# Altium PCB ESP32主控_20240824.PcbDoc
Units mil, origin at the board's own origin, x right, y up, seen from the top; angles counter-clockwise.
Board outline 3267.72 x 3700.79 mil, 2 copper layers (Top Layer, Bottom Layer), stack 61.756 mil thick; 56 components, 39 nets, 327 pads, 66 vias.
Unrouted connection lines stored in the file: 2.
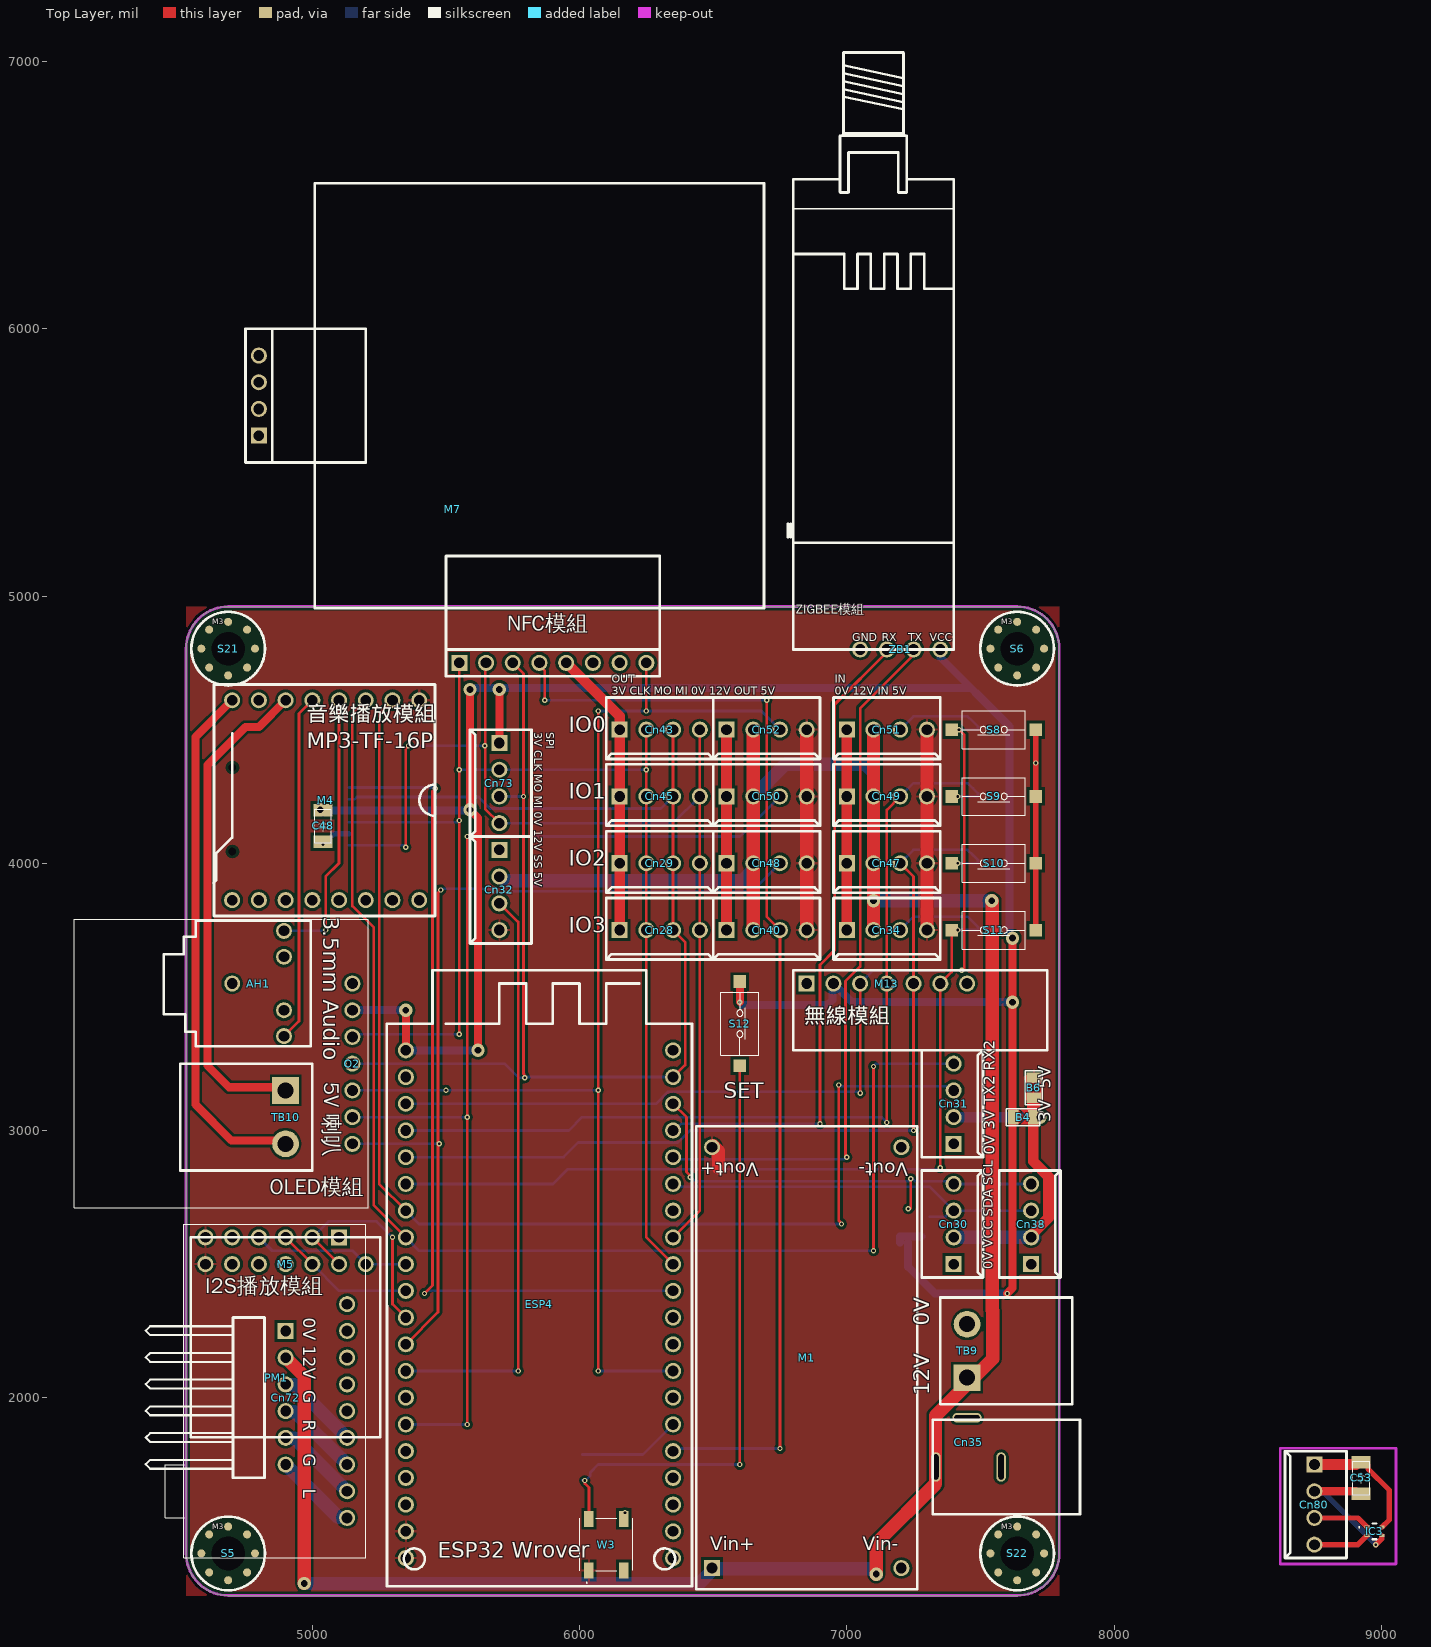
[diagram p0: Top Layer view]
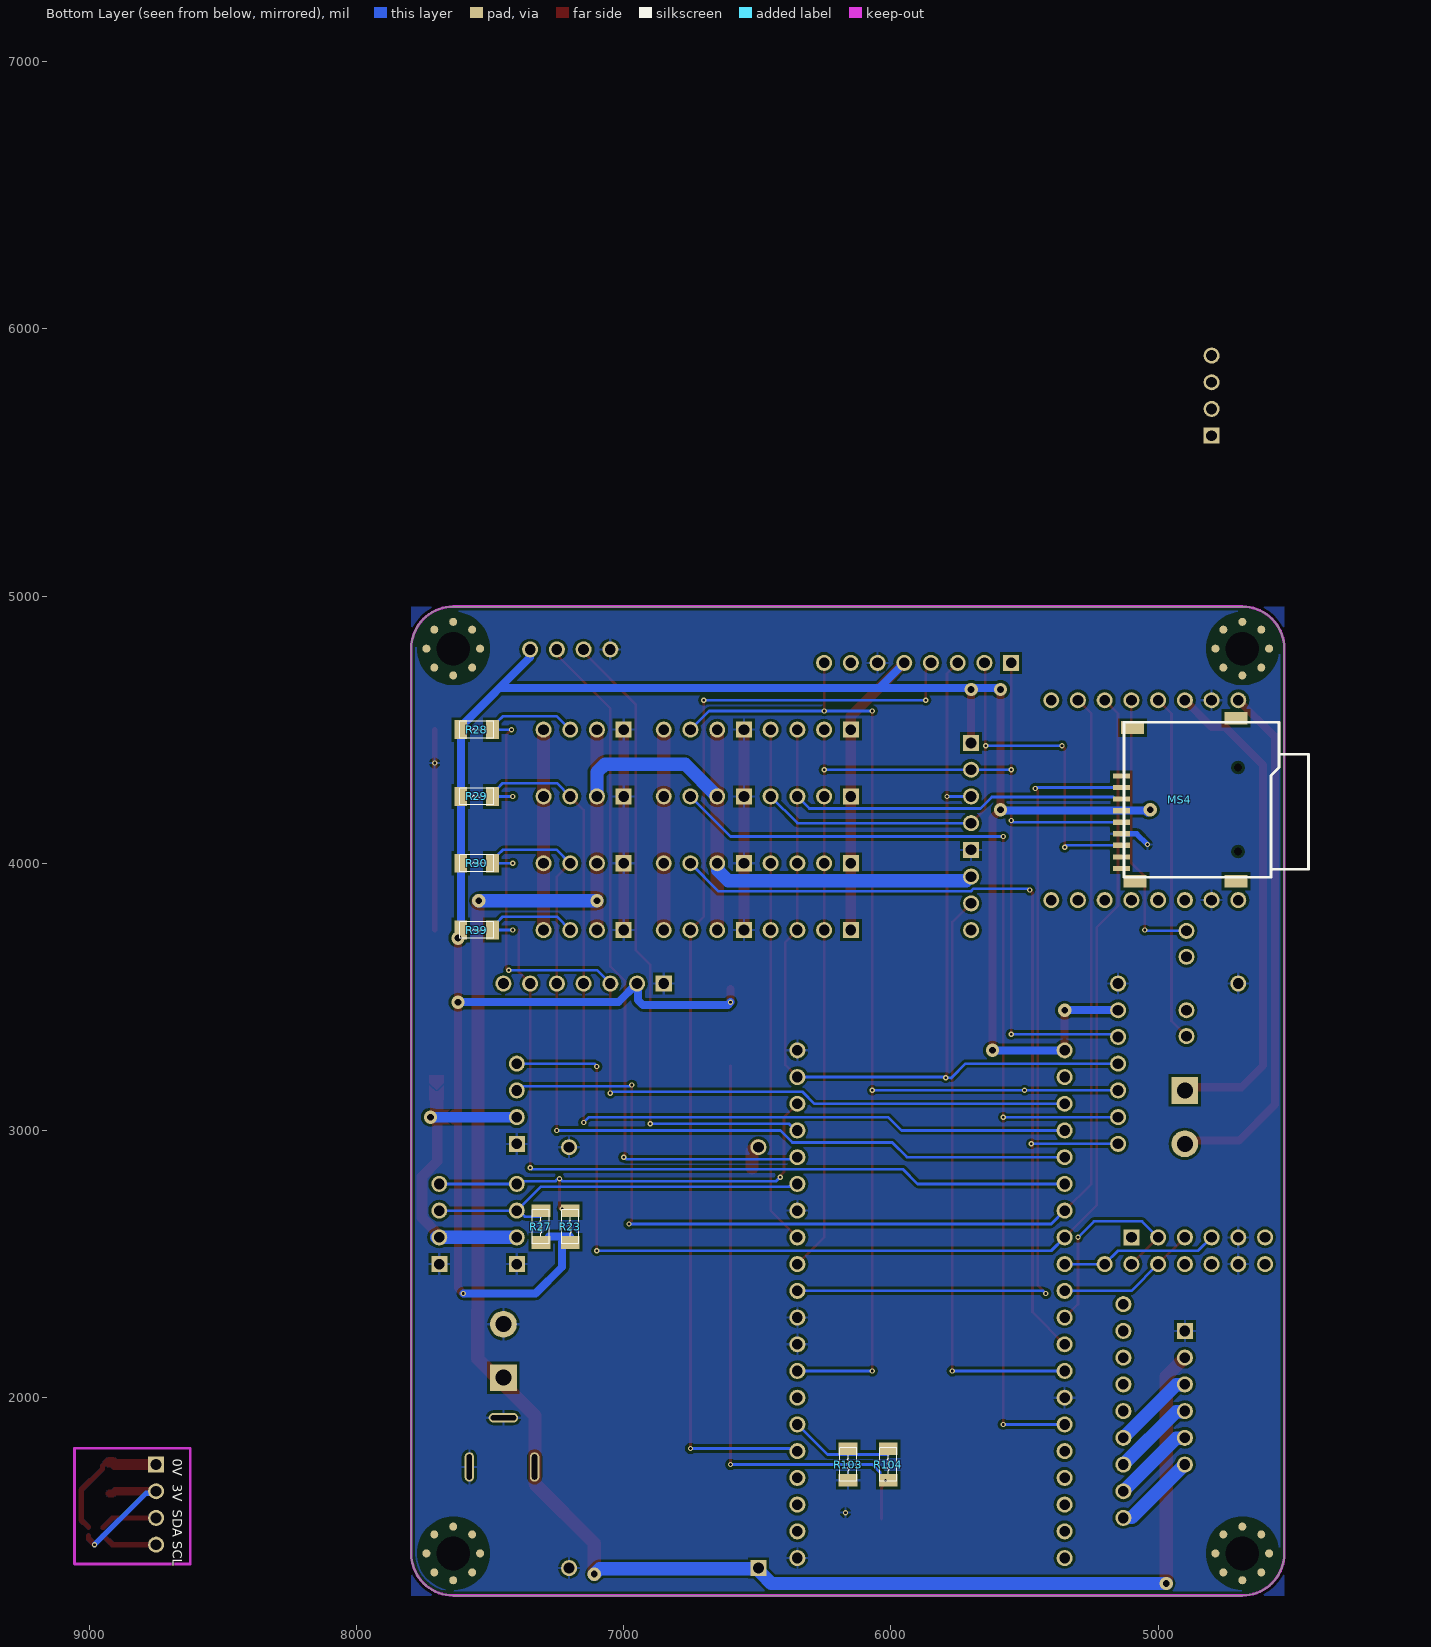
[diagram p1: Bottom Layer view, seen from below]

## Layer stack, top to bottom
Top Solder: solder mask 1, SM-001, Dk 4
Top Layer: signal copper 1.378
Dielectric 1: core 59, Core-043, Dk 4.3
Bottom Layer: signal copper 1.378
Bottom Solder: solder mask 1, SM-001, Dk 4

## Board outline
4527.56,1417.32 4527.56,4803.15 cw(c4685.04,4803.15) 4685.04,4960.63 7637.8,4960.63 cw(c7637.8,4803.15) 7795.28,4803.15 7795.28,1417.32 cw(c7637.8,1417.32) 7637.8,1259.84 4685.04,1259.84 cw(c4685.04,1417.32)

## Design rules (kind name [scope] priority, off if disabled: settings)
Clearance [All] p1: gap=10 ignorepadtopadclearanceinfootprint=FALSE except(0: SMDPad-Hole THPad-Hole Via-Hole Fill-Hole Poly-Hole Region-Hole Text-Hole)
ComponentClearance [All] p1: gap=0 collisioncheckmode=3 verticalgap=0 showdistances=FALSE
PolygonConnect [All] p1: connectstyle=Relief reliefconductorwidth=10 reliefentries=4 polygonreliefangle="90 Angle" airgapwidth=10
RoutingVias [All] p1: holewidth=28 width=50 viastyle="Through Hole" minholewidth=10 minwidth=20 maxholewidth=28 maxwidth=50
SolderMaskExpansion [All] p1: expansion=4 istentingtop=FALSE
Width [All] p1: maxlimit=100 minlimit=10 preferedwidth=10 minimp=50.000000 maximp=50.000000 favimp=50.000000
29 further rules are at their usual default settings.

## Components (designator, comment, footprint, x,y, rotation, side; value= is the part's Value field where it differs from the comment)
AH1 "Interface_Audio_hole" Audio_hole_DIP 4700,3550 r270 top
B4 "短路" BYPASS-0805 7660,3050 r0 top
B6 "不短路" BYPASS-0805 7700,3160 r270 top
C48 "1uF 50V" Cap-1206 5040,4140 r270 top
C53 "1uF 50V" Cap-1206 8925,1700 r90 top
Cn28 "KF2510" Connector_KF2510-4A 6150,3750 r90 top
Cn29 "KF2510" Connector_KF2510-4A 6150,4000 r90 top
Cn30 "KF2510" Connector_KF2510-4A 7400,2500 r180 top
Cn31 "KF2510" Connector_KF2510-4A 7400,2950 r180 top
Cn32 "KF2510" Connector_KF2510-4A 5700,4050 r0 top
Cn34 "KF2510" Connector_KF2510-4A 7000,3750 r90 top
Cn35 "DC-005" Connector_DC-005 7451.56,1926 r180 top
Cn38 "KF2510" Connector_KF2510-4A 7690,2500 r180 top
Cn40 "KF2510" Connector_KF2510-4A 6550,3750 r90 top
Cn43 "KF2510" Connector_KF2510-4A 6150,4500 r90 top
Cn45 "KF2510" Connector_KF2510-4A 6150,4250 r90 top
Cn47 "KF2510" Connector_KF2510-4A 7000,4000 r90 top
Cn48 "KF2510" Connector_KF2510-4A 6550,4000 r90 top
Cn49 "KF2510" Connector_KF2510-4A 7000,4250 r90 top
Cn50 "KF2510" Connector_KF2510-4A 6550,4250 r90 top
Cn51 "KF2510" Connector_KF2510-4A 7000,4500 r90 top locked
Cn52 "KF2510" Connector_KF2510-4A 6550,4500 r90 top
Cn72 "KF2510-6" Connector_KF2510-6W 4900,2250 r0 top
Cn73 "KF2510" Connector_KF2510-4A 5700,4450 r0 top
Cn80 "KF2510" Connector_KF2510-4A 8750,1750 r0 top
ESP4 "U?" "ESP32-WROVER-CAM Module" 5850,2200 r0 top
IC3 "SHT40" Sensor_SHT40 8975,1500 r0 top
M1 "LM2596" "LM2596 Module" 6850,2150 r90 top
M4 "BY8001-16P" BY8001-16P 5400,4235.98 r270 top
M5 "MAX98357" MAX98357_Module 4600,2500 r0 top
M7 "PN532" PN532 5850,5750 r180 top
M13 "XR390" "XR390 Module" 6850,3550 r180 top
MS4 "Interface_MicroSD card slot" "Interface_MicroSD card slot" 5137.48,4242.13 r270 bottom
O2 "0.96\"" OLED-SPI/I2C 5150,3250 r270 top
PM1 "PCM5102" PCM5102_MODULE 5100,2600 r270 top
R23 "2.4K" Res-1206 7200,2640 r270 bottom
R27 "2.4K" Res-1206 7310,2640 r270 bottom
R28 "1K" Res-1206 7550,4500 r0 bottom
R29 "1K" Res-1206 7550,4250 r0 bottom
R30 "1K" Res-1206 7550,4000 r0 bottom
R39 "1K" Res-1206 7550,3750 r0 bottom
R103 "10K" Res-1206 6160,1750 r90 bottom
R104 "1K" Res-1206 6010,1750 r90 bottom
S5 "M3" "Screw M3" 4685.04,1417.32 r0 top
S6 "M3" "Screw M3" 7637.8,4803.15 r0 top
S8 "Switch" "Switch SMD-3.6*6*2.5" 7550,4500 r180 top
S9 "Switch" "Switch SMD-3.6*6*2.5" 7550,4250 r180 top
S10 "Switch" "Switch SMD-3.6*6*2.5" 7550,4000 r180 top
S11 "Switch" "Switch SMD-3.6*6*2.5" 7550,3750 r180 top
S12 "Switch" "Switch SMD-3.6*6*2.5" 6600,3400 r270 top
S21 "M3" "Screw M3" 4685.04,4803.15 r0 top
S22 "M3" "Screw M3" 7637.8,1417.32 r0 top
TB9 "ZB25(2P)" "Terminal block(KF2EDGR-5.08 _2P)" 7450,2075 r90 top
TB10 "ZB25(2P)" "Terminal block(KF2EDGR-5.08 _2P)" 4900,3150 r270 top
W3 "2020" LED-WS2812B-5050 6100,1450 r90 top
ZB1 "Zigbee" ZIGBEE 7350,4800 r0 top

## Footprints (in the part's own frame and the unit in brackets; to place one, negate y for a bottom-side part, rotate by r counter-clockwise, add the part's x,y. Pads: shape width x height; smd on the part's side, far side on the other; paste and mask are expansions set on the pad)
Audio_hole_DIP [mil] "音源孔"
  oval 60x59.06 hole 40: 1(0,0) 2(197,194) 3(-197,194) 4(-100,194) 5(100,194)
  silkscreen extent -235,-256 235,294, body extent -236,-258 236,295, height 236
BY8001-16P [mil] "TTL Serial MP3播放模組"
  round 60 hole 40: 1(-374.02,0) 2(-374.02,-100) 3(-374.02,-200) 4(-374.02,-300) 5(-374.02,-400) 6(-374.02,-500) 7(-374.02,-600) 8(-374.02,-700) 9(374.02,-700) 10(374.02,-600) 11(374.02,-500) 12(374.02,-400) 13(374.02,-300) 14(374.02,-200) 15(374.02,-100) 16(374.02,0)
  silkscreen extent -433,-770 433,59
BYPASS-0805 [mm] "短接焊點"
  rect 1x1.4 smd: 1(-0.95,0) 2(0.95,0)
  Top Layer region: -1.2,-0.7 -1.2,0.7 -0.45,0.7 0.25,0 -0.45,-0.7
  Top Layer region: -0.25,-0.7 0.45,0 -0.25,0.7 1.2,0.7 1.2,-0.7
  silkscreen extent -1.6,-0.8 1.6,0.8
Cap-1206 [mm] "SMD1206電容"
  rect 1.2x1.8 smd: 1(-1.5,0) 2(1.5,0)
  silkscreen extent -1.6,-0.8 1.6,0.8, body extent -1,-0.62 1,0.63, height 1.25
Connector_DC-005 [mm] "DC接頭外徑5.5mm"
  oval 0.9x2.8 hole 0.5 slot 2.4 at 90 deg: 1(3,4.7) 2(-3.2,4.7)
  oval 2.8x0.9 hole 0.5 slot 2.4 at 0 deg: 3(0.04,0.025)
  silkscreen extent -10.7,0.2 3.3,9.2
Connector_KF2510-4A [mil] "防呆接頭(4P)"
  rect 60x60 hole 40: 1(0,0)
  round 60 hole 40: 2(0,-100) 3(0,-200) 4(0,-300)
  silkscreen extent -110,-350 120,50, body extent -114,-348 114,50, height 461
Connector_KF2510-6W [mil] "防呆接頭90°(6P)"
  rect 60x60 hole 40: 1(0,0)
  round 60 hole 40: 2(0,-100) 3(0,-200) 4(0,-300) 5(0,-400) 6(0,-500)
  silkscreen extent -524,-550 -79,50, body extent -591,-549 14,49, height 228
"ESP32-WROVER-CAM Module" [mil] "ESP32模組"
  round 60 hole 40: 1(-500,-200) 1(500,-800) 1(500,0) 1(500,100) 1(500,500) 1(500,1100) 2(-500,1100) 3(-500,-800) 3(-500,-700) 4(-500,1000) 5(-500,900) 6(-500,800) 7(-500,700) 8(-500,600) 9(-500,500) 10(-500,400) 11(-500,300) 12(-500,200) 13(-500,100) 14(-500,0) 15(-500,-100) 16(-500,-300) 17(-500,-400) 18(-500,-500) 19(-500,-600) 20(500,-700) 21(500,-600) 22(500,-500) 23(500,-400) 24(500,-300) 25(500,-200) 26(500,-100) 27(500,200) 28(500,300) 29(500,400) 30(500,600) 31(500,700) 32(500,800) 33(500,900) 34(500,1000)
  silkscreen extent -571,-906 571,1400, body extent -550,-907 550,1281, height 281
"Interface_MicroSD card slot" [mm] "Micro SD卡座"
  rect 0.5x1.6 smd: 1(-2.15,0) 2(-1.05,0) 3(0.05,0) 4(1.15,0) 5(2.25,0) 6(3.35,0) 7(4.45,0) 8(5.55,0) 9(6.65,0)
  rect 1.2x2.2 smd: 10(-7.65,10.9) 10(-6.75,1.05) 10(7.85,1.3) 10(7.85,10.9)
  round 0 hole 0.75: 10(-2.95,11.1) 10(5.05,11.1)
  silkscreen extent -7.27,0.25 7.47,17.78, body extent -7.9,-0.12 8.1,17.78, height 1.85
LED-WS2812B-5050 [mm] "幻彩爭珠-5050"
  rect 1.5x0.9 smd: 1(-2.45,-1.65) 2(2.45,-1.65) 3(2.45,1.65) 4(-2.45,1.65)
  silkscreen extent -3.65,-2.5 2.5,2.5, body extent -2.7,-2.5 2.7,2.5, height 1.62
"LM2596 Module" [mil] "電源模組"
  rect 60x60 hole 40: 1(-787.4,354.33)
  round 60 hole 40: 2(-787.4,-354.33) 3(787.4,-354.33) 4(787.4,354.33)
  silkscreen extent -866,-413 866,413, body extent -866,-413 866,413, height 609
MAX98357_Module [mil] "MAX98357"
  round 60 hole 40: 1(0,0) 2(100,0) 3(200,0) 4(300,0) 5(400,0) 6(500,0) 7(600,0)
  silkscreen extent -54,-648 654,100
OLED-SPI/I2C [mil] "0.96吋OLED顯示器"
  round 60 hole 40: 1(-300,0) 2(-200,0) 3(-100,0) 4(0,0) 5(100,0) 6(200,0) 7(300,0)
  silkscreen extent -540,-1040 540,59, body extent -535,-1037 540,57, height 201
PCM5102_MODULE [mil] "I2S音頻解碼模組"
  rect 60x60 hole 40: 1(0,0)
  round 60 hole 40: 2(0,-100) 3(0,-200) 4(0,-300) 5(0,-400) 6(0,-500) 7(250,30) 8(350,30) 9(450,30) 10(550,30) 11(650,30) 12(750,30) 13(850,30) 14(950,30) 15(1050,30)
  silkscreen extent -50,-650 1198,100
PN532 [mil]
  rect 60x60 hole 40: 1(300,1000) 9(1050,150)
  round 60 hole 40: 2(200,1000) 3(100,1000) 4(0,1000) 5(-100,1000) 6(-200,1000) 7(-300,1000) 8(-400,1000) 10(1050,50) 11(1050,-50) 12(1050,-150)
  silkscreen extent -841,-795 1100,1050, body extent -450,-300 1077,1010, height 98
Res-1206 [mm] "1/4W電阻 SMD"
  rect 1.2x1.8 smd: 1(-1.5,0) 2(1.5,0)
  silkscreen extent -1.6,-0.8 1.6,0.8, body extent -1.6,-0.8 1.6,0.8, height 0.75
"Screw M3" [mil] "螺絲 M3"
  round 30 smd: 1(-100.39,0) 1(-70.99,-70.99) 1(-70.99,70.99) 1(0,-100.39) 1(0,100.39) 1(70.99,-70.99) 1(70.99,70.99) 1(100.39,0)
  round 30 smd far side: 1(-100.39,0) 1(-70.99,-70.99) 1(-70.99,70.99) 1(0,-100.39) 1(0,100.39) 1(70.99,-70.99) 1(70.99,70.99) 1(100.39,0)
  round 118.11 hole 125.98: 1(0,0)
  Multi-Layer pour cut-out: -1.1,-137.13 -53.83,-126.64 -98.54,-96.77 -128.41,-52.07 -138.9,0.67 -138.9,0.67 -128.41,53.4 -98.54,98.1 -53.83,127.97 -1.1,138.46 -1.1,138.46 51.63,127.97 96.33,98.1 126.2,53.4 136.69,0.67 136.69,0.67 126.2,-52.07 96.33,-96.77 51.63,-126.64 -1.1,-137.13
  silkscreen extent -138,-138 138,138, body extent -108,-108 108,108, height 118
Sensor_SHT40 [mm] "I2C 溫溼度感測器"
  rect 0.5x0.3 smd: 1(-0.7,0.4) 2(-0.7,-0.4) 3(0.7,-0.4) 4(0.7,0.4)
  silkscreen extent -1.5,-0.75 0.2,0.75, body extent -0.75,-0.75 0.75,0.75, height 0.54
"Switch SMD-3.6*6*2.5" [mm] "按鍵開關"
  rect 1.2x1.2 smd: 1(-4,0) 2(4,0)
  silkscreen extent -3,-1.8 3,1.8, body extent -4,-1.8 4,1.8, height 2.6
"Terminal block(KF2EDGR-5.08 _2P)" [mil] "端子台(KF2EDGR-5.08 _2P))"
  rect 100x100 hole 60: 1(0,0)
  round 100 hole 60: 2(200,0)
  silkscreen extent -100,-394 300,100, body extent -100,-839 300,39, height 622
"XR390 Module" [mil] "遙控器模組"
  rect 60x60 hole 40: 1(0,0)
  round 60 hole 40: 2(-100,0) 3(-200,0) 4(-300,0) 5(-400,0) 6(-500,0) 7(-600,0)
  silkscreen extent -900,-50 50,250
ZIGBEE [mil] "無線通訊模組"
  round 60 hole 40: 1(0,0) 2(-100,0) 3(-200,0) 4(-300,0)
  silkscreen extent -570,0 50,2234, body extent -563,-10 67,1761, height 226

## Part data
AH1: "音源孔"
B4 B6: library part Bypass, "短路焊點(如標註短路則需額外補錫使其短路)"
C48 C53: library part Cap, "電容", ComponentLink1Description=datasheet, ComponentLink1URL=https://product.tdk.com/system/files/dam/doc/product/capacitor/ceramic/mlcc/catalog/mlcc_commercial_general_en.pdf
Cn28 Cn29 Cn30 Cn31 Cn32 Cn34 Cn38 Cn40 Cn43 Cn45 Cn47 Cn48 Cn49 Cn50 Cn51 Cn52 Cn73 Cn80: library part Contact(4P), "接線端子"
Cn35: library part Contact_DC, "DC直流接頭"
Cn72: library part Contact(6P), "接線端子"
ESP4: library part ESP32-WROVER-CAM, "WIFI通訊模組,帶OV2640攝像頭"
IC3: library part Sensor_SHT40-AD1B-R3, "I2C,溫溼度感測器", Manufacturer_Name=Sensirion, Manufacturer_Part_Number=SHT40-AD1B-R3, Datasheet Link=https://www.arrow.com/en/products/sht40-ad1b-r3/sensirion-ag, Height=0.59mm
M1: "DC to DC 降壓模組"
M4: library part "Mini MP3 Player", "TTL通訊SD卡撥放mp3模組"
M5: library part "MAX98357 Module", "I2S音頻直驅模組,3W"
M7: "NFC模組"
M13: "遙控器模組"
MS4: "Micro SD 卡座"
O2: library part OLED_SPI/I2C, "OLED顯示模組"
PM1: "I2S音頻解碼模組"
R23 R27 R28 R29 R30 R39 R103 R104: library part Res, "電阻"
S5 S6 S21 S22: library part Screw, "螺絲(非焊接元件)"
S8 S9 S10 S11 S12: "開關_按鍵"
TB9 TB10: library part "Terminal block(2P)", "端子台"
W3: library part WS2812B, "LED幻彩燈珠", Arrow Part Number=4684, Manufacturer_Name=Adafruit, Mouser Part Number=485-4684, Arrow Price/Stock=https://www.arrow.com/en/products/4684/adafruit-industries?region=nac, Datasheet Link=https://cdn-shop.adafruit.com/product-files/4684/4684_WS2812B-2020_V1.3_EN.pdf, Height=0.84mm, Manufacturer_Part_Number=4684, Mouser Price/Stock=https://www.mouser.co.uk/ProductDetail/Adafruit/4684?qs=DPoM0jnrROWIv9%2FMCIm5vw%3D%3D
ZB1: "無線通訊模組"

## Via types
v1: diameter 20, hole 10, Top Layer to Bottom Layer, tented both sides, 53 vias
v2: diameter 50, hole 25, Top Layer to Bottom Layer, tented both sides, 13 vias

## Nets (pads, with @x,y where several pads share a name; then routed paths per layer and width w, separated by ;. In a path a pad name is that pad's centre, name@x,y a point inside that pad or via, vN(x,y) a via of type N, cw(c..) or ccw(c..) an arc to the next point about the centre after c; other vN are vias at no path point)
+3.3: B4.1 C48.1 C53.1 Cn28.1 Cn29.1 Cn43.1 Cn45.1 Cn73.1 Cn80.2 ESP4.2 IC3.3 M7.5 M13.2 MS4.4 O2.2 R23.2 R27.2 R28.2 R29.2 R30.2 R39.2 S12.1 ZB1.1 | length 10658.3
  Top Layer w20: v1(8980,1450) 9002.56,1472.56 IC3.3
  Top Layer w30: ESP4.2 v2(5350,3450) ; v2(5590,4650) v2(5590,4200) 5620,4170 v2(5620,3300) ; Cn73.1 v2(5700,4650) ; v1(6600,3480) 6600,3530 ; v1(7600,2390) 7620,2410 v2(7620,3480) v2(7620,3720) ; Cn80.2 8904.13,1650 8913.19,1640.94 C53.1
  Top Layer w40: M7.5 6150,4550 Cn43.1 Cn45.1 Cn29.1 Cn28.1
  Bottom Layer w20: Cn80.2 8757.43,1642.57 8787.43,1642.57 v1(8980,1450)
  Bottom Layer w30: v2@5040,4190 5046.85,4196.85 v2@5590,4196.85 ; O2.2 v2(5350,3450) ; ESP4.2 v2(5620,3300) ; v2(5590,4650) 5593.83,4653.83 5607.97,4653.83 5609.18,4655.04 6044.96,4655.04 ; M7.5 6044.96,4655.04 ; v1(6600,3480) 6610,3470 6928.31,3470 6945.89,3487.57 6945.89,3545.89 M13.2 7020,3480 v2(7620,3480) ; R23.2 7200,2602.6 R27.2@7280,2602.6 ; R23.2@7230,2580.95 7230,2490 7330,2390 v1(7600,2390) ; ZB1.1 7350,4770.86 7609.05,4511.81 R29.2 R30.2 R39.2 7609.05,3736.36 7620,3725.41 v2(7620,3720) ; 7454.01,4655.04 6044.96,4655.04
  other v2: 5030,4200
+5: B6.1 Cn32.4 Cn34.4 Cn40.4 Cn47.4 Cn48.4 Cn49.4 Cn50.4 Cn51.4 Cn52.4 ESP4.3 M1.4 M4.1 M5.1 PM1.6 W3.4 | length 1590.3
  Top Layer w50: M1.4@6500.53,2942.26 6520,2922.8 6520,2860 ; Cn40.4 Cn48.4 Cn50.4 Cn52.4 ; Cn34.4 Cn47.4 Cn49.4 Cn51.4
+12: Cn32.2 Cn34.2 Cn35.1 Cn40.2 Cn47.2 Cn48.2 Cn49.2 Cn50.2 Cn51.2 Cn52.2 Cn72.2 M1.1 TB9.1 | length 9273.1
  Top Layer w50: Cn72.2 4970,2080 v2(4970,1304.84) ; Cn40.2 Cn48.2 Cn50.2 Cn52.2 ; Cn34.2 v2(7100,3860) Cn47.2 Cn49.2 Cn51.2 ; v2(7110,1340) 7110,1455.09 7331.89,1676.98 7331.89,1931.89 7462.5,2062.5 7545.71,2145.71 7545.71,2326.51 7545,2327.22 7545,3857.4 v2(7542.4,3860)
  Bottom Layer w50: v2(4970,1304.84) 6447.76,1304.84 M1.1@6485.83,1342.91 ; Cn32.2 5702.71,3950 5717.71,3935 6609.15,3935 6648.09,3973.94 6648.09,3998.09 Cn48.2 ; M1.1 6498.27,1360 7090,1360 v2(7110,1340) ; Cn50.2 6770,4370 7070,4370 7100,4340 Cn49.2 ; v2(7100,3860) v2(7542.4,3860)
CLK: Cn28.2 Cn29.2 Cn43.2 Cn45.2 Cn73.2 ESP4.28 M7.1 MS4.5 O2.3 | length 4956.1
  Top Layer w10: v1(5550,3360) v1(5550,4160) M7.1 ; Cn43.2 v1(6250,4350) Cn45.2 Cn29.2 Cn28.2 6250,2600 ESP4.28
  Bottom Layer w10: MS4.5 5540.84,4153.54 5547.29,4160 v1(5550,4160) v1@5550,4154.64 ; O2.3 5160,3360 v1(5550,3360) ; v1(5550,4350) Cn73.2 v1(6250,4350)
GND: AH1.1 C48.2 C53.2 Cn30.1 Cn31.1 Cn32.1 Cn34.1 Cn35.2 Cn35.3 Cn38.1 Cn40.1 Cn47.1 Cn48.1 Cn49.1 Cn50.1 Cn51.1 Cn52.1 Cn72.1 Cn80.1 ESP4.1 IC3.4 M1.2 M1.3 M4.7 M4.10 M5.2 M7.6 M13.1 MS4.6 O2.1 PM1.5 R103.1 S8.1 S9.1 S10.1 S11.1 TB9.2 W3.2 ZB1.4 | length 2848
  Top Layer w20: S11.1 S10.1 S9.1 S8.1 ; C53.2 8936.81,1759.05 8950.43,1745.43 8950.43,1733.62 9030,1654.05 9030,1543.19 IC3.4
  Top Layer w40: Cn40.1 Cn48.1 Cn50.1 Cn52.1 ; Cn34.1 Cn47.1 Cn49.1 Cn51.1 ; Cn80.1 8904.13,1750 8913.19,1759.05 C53.2
  Bottom Layer w20: v1(5040,4070) 5080.24,4110.24 MS4.6
  other v1: 6170,1570 7707.48,4375
I2S0_BCK: ESP4.13 M5.6 PM1.2 | length 811.8
  Top Layer w10: PM1.2 M5.6 ; v1(5300,2600) 5300,2350 ESP4.13
  Bottom Layer w10: PM1.2 5060,2660 5240,2660 v1(5300,2600)
I2S0_DO: ESP4.12 M5.5 PM1.3 | length 532.8
  Top Layer w10: PM1.3 M5.5
  Bottom Layer w10: M5.5 5100,2400 ESP4.12
I2S0_WS: ESP4.11 M5.7 PM1.4 | length 591.4
  Bottom Layer w10: PM1.4 4850,2550 5150,2550 M5.7 ESP4.11
IN_0: Cn51.3 ESP4.5 M13.3 R28.1 S8.2 | length 3856.5
  Top Layer w10: v1(7050,3140) M13.3 ; v1(7420,4500) 7440,4480 7440,3605.86 7434.14,3600 v1(7430,3600)
  Bottom Layer w10: ESP4.5 6286.36,3100 6331.36,3145 7042.29,3145 7047.29,3140 v1(7050,3140) ; M13.3 7100,3600 v1(7430,3600) ; Cn51.3 7250,4550 7452.45,4550 7472.02,4530.43 7472.32,4530.43 7490.94,4511.81 R28.1 v1(7420,4500)
IN_1: Cn49.3 ESP4.6 M13.4 R29.1 S9.2 | length 3484.9
  Top Layer w10: v1(7150,3030) M13.4 7150,4200 Cn49.3
  Bottom Layer w10: ESP4.6 5960,3000 6010,3050 7130,3050 v1(7150,3030) ; Cn49.3 7250,4300 7452.45,4300 7472.02,4280.43 7472.32,4280.43 7490.94,4261.81 R29.1 v1(7415,4250)
IN_2: Cn47.3 ESP4.7 M13.5 R30.1 S10.2 | length 3377.4
  Top Layer w10: Cn47.3 7250,3950 M13.5 v1(7250,3000)
  Bottom Layer w10: ESP4.7 5940,2900 5995,2955 6368.64,2955 6413.64,3000 v1(7250,3000) ; Cn47.3 7250,4050 7452.45,4050 7472.02,4030.43 7472.32,4030.43 7490.94,4011.81 R30.1 v1(7415,4000)
IN_3: Cn34.3 ESP4.8 M13.6 R39.1 S11.2 | length 3347.7
  Top Layer w10: v1(7350,2860) M13.6 7392.52,3592.52 S11.2
  Bottom Layer w10: ESP4.8 5900,2800 5955,2855 7345,2855 v1(7350,2860) ; Cn34.3 7250,3800 7452.45,3800 7472.02,3780.43 7472.32,3780.43 7490.94,3761.81 R39.1 v1(7415,3750)
MI: Cn28.4 Cn29.4 Cn43.4 Cn45.4 Cn73.4 ESP4.29 M7.2 MS4.7 | length 4240.6
  Top Layer w10: v1(5350,4060) 5350,4429.14 5360,4439.14 v1(5360,4440) ; M7.2 5646.91,4746.91 5646.91,4203.09 Cn73.4 ; ESP4.29 6450,2700 Cn28.4 Cn29.4 Cn45.4 Cn43.4
  Bottom Layer w10: MS4.7 5343.07,4066.93 v1(5350,4060) ; v1(5360,4440) v1(5645,4440) ; Cn73.4 6350,4150 Cn45.4
MO: Cn28.3 Cn29.3 Cn43.3 Cn45.3 Cn73.3 ESP4.34 M7.3 MS4.3 O2.4 | length 5480.4
  Top Layer w10: M7.3 5790,4710 5790,3212.71 5793.09,3209.62 5793.09,3198.99 v1(5795,3197.07) ; ESP4.34 6395,3245 6395,3705 Cn28.3 Cn29.3 Cn45.3 Cn43.3
  Bottom Layer w10: MS4.3 5159.13,4240.16 5166.78,4247.8 5622.2,4247.8 5665,4205 6305,4205 Cn45.3 ; O2.4 5720,3250 5774.15,3195.85 ; Cn73.3@5690,4250 v1(5790,4250) ; 5777.07,3197.07 v1(5795,3197.07) ; v1@5795,3200 ESP4.34
NetAH1_2: AH1.2 M4.5 | length 1300.9
  Top Layer w10: AH1.2 4950,3409 4950,4560 M4.5
NetAH1_3: AH1.3 M4.4 | length 1038
  Top Layer w10: v1(5050,3750) 5050,3950 5100,4000 M4.4
  Bottom Layer w10: AH1.3 5047,3747 v1(5050,3750)
NetB4_2: B4.2 B6.2 Cn30.2 Cn31.2 Cn38.2 | length 1173.8
  Top Layer w40: Cn38.2 7693.83,2603.83 7693.83,2611.9 7755,2673.08 7755,2826.92 7697.4,2884.52 B4.2
  Top Layer w50: B4.2@7700,3076.28 B6.2
  Bottom Layer w10: Cn30.2@7397.4,2602.6 Cn30.2
  Bottom Layer w40: Cn31.2 v2(7722.99,3050)
  Bottom Layer w50: Cn30.2 Cn38.2 Cn38.2@7700,2600
NetCn72_3: Cn72.3 PM1.12 | length 312.8
  Bottom Layer w50: Cn72.3 4901.91,2048.09 4931.91,2048.09 PM1.12
NetCn72_4: Cn72.4 PM1.13 | length 312.8
  Bottom Layer w50: Cn72.4 4901.91,1948.09 4931.91,1948.09 PM1.13
NetCn72_5: Cn72.5 PM1.14 | length 312.8
  Bottom Layer w50: Cn72.5 4901.91,1848.09 4931.91,1848.09 PM1.14
NetCn72_6: Cn72.6 PM1.15 | length 312.8
  Bottom Layer w50: Cn72.6 5098.09,1551.91 5128.09,1551.91 PM1.15
NetCn80_3: Cn80.3 IC3.1 | length 211.6
  Top Layer w20: Cn80.3 8913.19,1550 IC3.1
NetCn80_4: Cn80.4 IC3.2 | length 211.6
  Top Layer w20: Cn80.4 8913.19,1450 IC3.2
NetM4_6: M4.6 TB10.1 | length 1848.7
  Top Layer w30: TB10.1 4888.19,3161.81 4688.19,3161.81 4607.56,3242.44 4607.56,4367.56 4750,4510 4800,4510 M4.6
NetM4_8: M4.8 TB10.2 | length 1968.3
  Top Layer w30: M4.8 4562.56,4472.56 4562.56,3096.97 4697.72,2961.81 4888.19,2961.81 TB10.2
NetR104_1: R104.1 S12.2 W3.3 | length 2263.5
  Top Layer w10: v1(6020,1690) 6020,1679.18 6035.04,1664.14 W3.3 ; v1(6600,1750) S12.2
  Bottom Layer w10: R104.1 6021.51,1690.94 6040.14,1709.57 6040.14,1721.08 6069.06,1750 v1(6600,1750)
OUT_0: Cn52.3 ESP4.26 M7.8 O2.5 | length 4559
  Top Layer w10: v1(6070,2100) v1(6070,3150) v1(6070,4570) ; v1(6250,4570) M7.8
  Bottom Layer w10: O2.5 v1(5500,3150) v1(6070,3150) ; v1(6070,2100) ESP4.26 ; v1(6070,4570) v1(6250,4570) 6680,4570 Cn52.3
OUT_1: Cn50.3 ESP4.16 O2.6 | length 4092.1
  Top Layer w10: v1(5580,1900) v1(5580,3050) v1(5580,4100)
  Bottom Layer w10: O2.6 v1(5580,3050) ; ESP4.16 v1(5580,1900) ; v1(5580,4100) 6600,4100 Cn50.3
OUT_2: Cn48.3 ESP4.14 O2.7 | length 3388.9
  Top Layer w10: ESP4.14 5470,2320 5470,3889.14 5480,3899.14 v1(5480,3900)
  Bottom Layer w10: O2.7 v1(5475,2950) ; v1@5487.57,3904.86 5691.28,3904.86 5701.14,3895 6645,3895 Cn48.3
OUT_3: Cn40.3 ESP4.23 M7.4 | length 4203.1
  Top Layer w10: M7.4 5850,4739.14 5870,4719.14 v1(5870,4610) ; v1(6700,4610) 6700,3800 Cn40.3 v1(6750,1810)
  Bottom Layer w10: v1(5870,4610) v1(6700,4610) ; ESP4.23 6359.57,1809.57 6380.42,1809.57 6380.86,1810 v1(6750,1810)
RX0: ESP4.31 ZB1.2 | length 2664
  Top Layer w10: v1(7000,2900) 6995,2905 6995,3558.64 7050,3613.64 7050,4580 7240.43,4770.43 7240.43,4790.43 ZB1.2
  Bottom Layer w10: ESP4.31 6357.6,2892.4 6989.7,2892.4 6997.29,2900 v1(7000,2900)
RX2: Cn31.4 ESP4.10 M4.3 | length 4878
  Top Layer w10: M4.3 5150,4560 5150,3840 5230,3760 5230,2720 ESP4.10 ; v1(7100.15,2550.24) v1(7100.15,3239.55)
  Bottom Layer w10: ESP4.10 5400,2550 5400.24,2550.24 v1(7100.15,2550.24) ; v1@7100,3240 7110,3250 Cn31.4
SCL: Cn30.4 Cn38.4 ESP4.33 R23.1 | length 1715.8
  Top Layer w10: ESP4.33 6400,3050 6400,2845 6414.68,2830.32 v1(6414.68,2825) ; 7240,2710 v1(7240,2820)
  Bottom Layer w10: v1(6414.68,2825) 6429.68,2810 7229.14,2810 7239.14,2820 v1(7240,2820) 7245,2820 7254.56,2810.44 7369.14,2810.44 7370.02,2809.57 7390.43,2809.57 Cn30.4 Cn38.4@7700,2800
  other v1: 7230,2707.4
SD_SS: ESP4.27 MS4.2 | length 3164.7
  Top Layer w10: v1(5420,2390) 5450,2420 5450,4269.14 5460,4279.14 v1(5460,4280)
  Bottom Layer w10: MS4.2 5456.54,4283.46 v1(5460,4280) ; v1(5420,2390) 5430,2400 ESP4.27
SDA: Cn30.3 Cn38.3 ESP4.30 R27.1 | length 1490.8
  Bottom Layer w10: ESP4.30 6359.57,2790.43 6380.42,2790.43 6380.86,2790 7310,2790 Cn30.3 ; R27.1@7310,2677.4 7369.14,2677.4 7391.74,2700 Cn30.3 ; Cn38.3@7700,2700 Cn30.3
SET: ESP4.24 R103.2 R104.2 | length 386.6
  Bottom Layer w10: R104.2@6010,1787.4 6160,1787.4 6237.4,1787.4 ESP4.24
SS: Cn32.3 ESP4.15 | length 2199
  Top Layer w10: Cn32.3 5770,3780 v1(5770,2100)
  Bottom Layer w10: ESP4.15 v1(5770,2100)
TX0: ESP4.32 ZB1.3 | length 2438.9
  Top Layer w10: v1(6900,3025) 6900,3620 6955,3675 6955,4536.21 6955.04,4536.25 6955.04,4595.04 7150,4790 ZB1.3
  Bottom Layer w10: ESP4.32 6355.36,3000 6380.36,3025 v1(6900,3025)
TX2: Cn31.3 ESP4.9 M4.2 | length 4585.3
  Top Layer w10: M4.2 5250,4560 5250,2800 ESP4.9 ; v1(6970,3170) 6970,2662.71 6980,2652.71 v1(6980,2650)
  Bottom Layer w10: ESP4.9 5400,2650 v1(6980,2650) ; v1(6970,3170) 6972.71,3170 6977.71,3165 7385,3165 Cn31.3
pads on no net: AH1.4 AH1.5 ESP4.4 ESP4.17 ESP4.18 ESP4.19 ESP4.20 ESP4.21 ESP4.22 ESP4.25 M4.9 M4.11 M4.12 M4.13 M4.14 M4.15 M4.16 M5.3 M5.4 M7.7 M7.9 M7.10 M7.11 M7.12 M13.7 MS4.1 MS4.8 MS4.9 MS4.10 PM1.1 PM1.7 PM1.8 PM1.9 PM1.10 PM1.11 S5.1 S6.1 S21.1 S22.1 W3.1

## Polygon pours and split planes (outlines as drawn)
+5 on Top Layer "+5_L01_P003" (solid, pour order 3): 4527.56,1259.84 7795.28,1259.84 7795.27,4960.63 4527.56,4960.63
GND on Bottom Layer "GND_L02_P001" (solid, pour order 1): 4527.56,1259.84 7795.28,1259.84 7795.27,4960.63 4527.56,4960.63

## Keep-outs
Keep-Out Layer:
  lines w10: 4527.56,1417.32 ccw(c4685.04,1417.32) 4685.04,1259.84 7637.8,1259.84 ccw(c7637.8,1417.32) 7795.28,1417.32 7795.28,4803.15 ccw(c7637.8,4803.15) 7637.8,4960.63 4685.04,4960.63 ccw(c4685.04,4803.15) 4527.56,4803.15 4527.56,1417.32 ; 8622.05,1377.95 9055.12,1377.95 9055.12,1811.02 8622.05,1811.02 8622.05,1377.95

## Silkscreen, mask and mechanical layers (free items; w line width, h text height)
Top Overlay:
  text "ZIGBEE模組" at 6810,4920 h60
  text "NFC模組" at 5730,4850 h100
  text "OUT / 3V CLK MO MI 0V 12V OUT 5V" at 6120.05,4630 h30
  text "IN / 0V 12V IN 5V" at 6955.03,4630 h30
  text "SPI / 3V CLK MO MI 0V 12V SS 5V" at 5830,4489.95 h30 r270
  text "IO0" at 5960.47,4470 h100
  text "音樂播放模組 / MP3-TF-16P" at 4980,4410 h100
  text "IO1" at 5960.47,4220 h100
  text "IO2" at 5960.47,3970 h100
  text "3.5mm Audio" at 5020.94,3799.94 h100 r270
  text "IO3" at 5960.47,3720 h100
  text "無線模組" at 6840,3380 h100
  text "5V 喇叭" at 5024.44,3179.94 h100 r270
  text "SET" at 6540,3100 h100
  text "3V  5V" at 7780,3030 h80 r90
  text "0V 3V TX2 RX2" at 7569.34,2910 h70 r90
  text "OLED模組" at 4840,2740 h100
  text "0V VCC SDA SCL" at 7559.44,2480 h60 r90
  text "I2S播放模組" at 4600,2370 h100
  text "0V 12V  G   R    G    L" at 4950,2300 h80 r270
  text "12V    0V" at 7329.06,2010 h100 r90
  text "ESP32 Wrover" at 5470,1380 h100
Bottom Overlay:
  text "0V  3V  SDA SCL" at 8700.79,1771.65 h60 r90

## Text inside footprints (layer, text, board x,y; h text height)
M1: Top Overlay "Vout-" at 7230,2880 h50 r180; Top Overlay "Vout+" at 6670,2880 h50 r180; Top Overlay "Vin-" at 7060,1430 h50; Top Overlay "Vin+" at 6490,1430 h50
ZB1: Top Overlay "VCC" at 7310,4830 h30; Top Overlay "TX" at 7230,4830 h30; Top Overlay "RX" at 7130,4830 h30; Top Overlay "GND" at 7020,4830 h30